# Altium PCB PCB1.PcbDoc (continued)
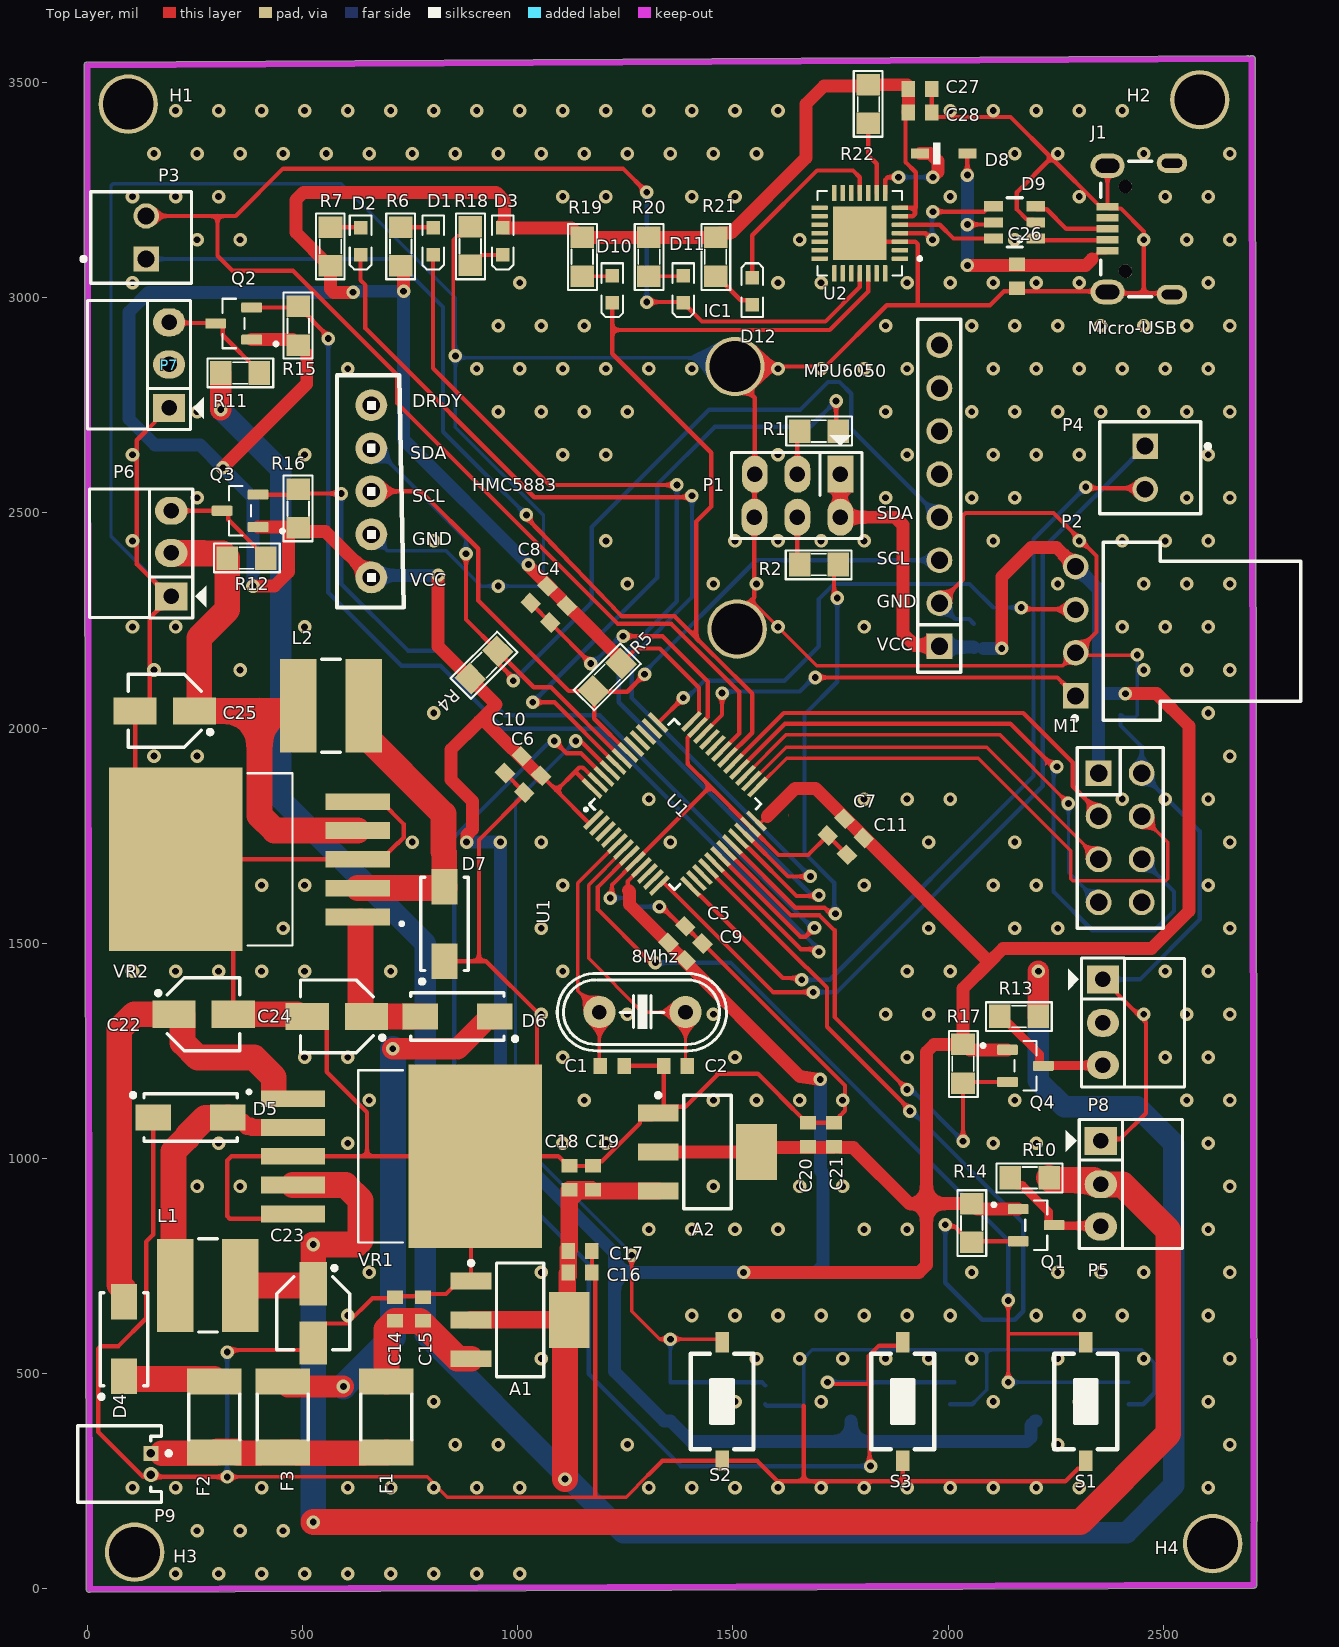
[diagram p0: Top Layer view]
## Part data
8Mhz: "Crystal Oscillator", LatestRevisionDate=17-Jul-2002, LatestRevisionNote="Re-released for DXP Platform.", PackageDescription="Crystal, Thru-Hole; 2 Leads; Body 3.1 x 8.2 mm (Dia.xH)", PackageReference=R38, Published=8-Jun-2000, Publisher="Altium Limited"
A1 A2: "Available in 1.8V, 2.5V, 2.85V, 3.3V, 5V, and  Adjustable Versions"
C1 C2 C3 C4 C5 C6 C7 C8 C9 C10 C11 C12 C13 C14 C15 C16 C17 C18 C19 C20 C21 C26 C27 C28 C29 C30 C31: "Capacitor"
C22 C23 C24 C25: "Polarized Capacitor (Radial)"
D1 D2 D3 D10 D11 D12: "LED"
D4 D5 D6 D7: "Schottky Diode", Code_JEDEC=DO-214-AA, LatestRevisionDate=17-Jul-2002, LatestRevisionNote="Re-released for DXP Platform.", PackageDescription="DO-214-AA/SMB; 2 C-Bend Leads; Body 5.3 x 3.6 mm, inc. leads (LxW)", PackageReference=SMB, Published=8-Jun-2000, Publisher="Altium Limited"
D8: "Diode Standard 75V 300mA (DC) Surface Mount SOD-323", Package="SOD-323FL-2 ON Semiconductor", Availability="In Stock", MF="ON Semiconductor", MP=1N4148WS, Price=None, Purchase-URL=https://pricing.snapeda.com/search/part/1N4148WS/?ref=eda
D9: library part 824001, "WE-TVS TVS Diode - High Speed Series, SOT23-6L, 4+1Channel, 5Vdc", Channel Input Capacitance=1pF, DC Operating Voltage=5V, Manufacturer="Wurth Elektronik", Operating Temperature="-40 to +125degC", Reverse Breakdown Voltage min.=6.2V, Reverse Channel Leakage Current=5uA, Reverse Peak Pulse Current=5A, Channel=4+1, ComponentLink1Description=Manufacturer, ComponentLink1URL=http://www.we-online.de, ComponentLink2Description=Datasheet, ComponentLink2URL=https://www.we-online.com/catalog/datasheet/824001.pdf, Manufacturer Part Number=824001, Mounting Technology=SMT, Packaging="Tape and Reel", Published Date="April 2020", Size=SOT23-6L
H1 H2 H3 H4: "Hole 3mm"
IC1: library part "IMU MPU6050", "GY-521 6DOF IMU MPU6050 / TECHMT.VN", WEB=TECHMT.VN
J1: "Micro USB 2.0 Type B Receptacle WR-COM, Horizontal, SMT, with Pegs, High Current at Pin 1 & Pin 5", Contact Resistance="30 mOhm", Operating Temperature="-40 to 85 degC", Rated Current="3 A", Working Voltage="30 VAC", ComponentLink1Description=Manufacturer, ComponentLink1URL=http://www.we-online.de, ComponentLink2Description=Datasheet, ComponentLink2URL=https://katalog.we-online.de/em/datasheet/629105150521.pdf, Connector Type="Micro USB 2.0 Type B", Gender=Receptacle, Mounting Technology=SMT, Orientation=Horizontal, Packaging="Tape and Reel", Part Number=629105150521, Published Date="September 2018", Publisher="Wurth Elektronik"
L1 L2: library part 784774033, "WE-PD2A SMT Power Inductor, size 5848, 3.3uH, 3.7A", DC Resistance max.=0.06Ohm, DC Resistance typ.=0.042Ohm, Inductance=3.3uH, Manufacturer="Wurth Elektronik", Operating Temperature="-40 to +125degC", Rated Current=3.7A, Rated Voltage=80VDC, Saturation Current=7.5A, Self Resonant Frequency=43MHz, ComponentLink1Description=Manufacturer, ComponentLink1URL=http://www.we-online.de, ComponentLink2Description=Datasheet, ComponentLink2URL=https://www.we-online.com/catalog/datasheet/784774033.pdf, Manufacturer Part Number=784774033, Mounting Technology=SMT, Packaging="Tape and Reel", Published Date="May 2020", Size=5848
P1: "Header, 3-Pin, Dual row", LatestRevisionDate=17-Jul-2002, LatestRevisionNote="Re-released for DXP Platform.", Publisher="Altium Limited"
P2: "WR-WTB THT Male Left Angled Bottom Locking Header, pitch 2.54mm, 4p", Contact Resistance=20mOhm, Operating Temperature="-40 to +105degC", Rated Current=3A, Withstanding Voltage=1000VAC, Working Voltage=250VAC, ComponentLink1Description=Manufacturer, ComponentLink1URL=http://www.we-online.de, ComponentLink2Description=Datasheet, ComponentLink2URL=https://www.we-online.com/catalog/datasheet/61900411021.pdf, Gender=Male, Mounting Technology=THT, Packaging=Bag, Part Number=61900411021, Pin Number=4, Pitch=2.54mm, Published Date="January 2020", Publisher="Wurth Elektronik", Type="Right Angled Bottom Locking"
P3 P4: "WR-WTB THT Male Vertical Locking Header, pitch 2.54mm, 2p", Contact Resistance=20mOhm, Operating Temperature="-40 to +105degC", Rated Current=3A, Withstanding Voltage=1000VAC, Working Voltage=250VAC, ComponentLink1Description=Manufacturer, ComponentLink1URL=http://www.we-online.de, ComponentLink2Description=Datasheet, ComponentLink2URL=https://www.we-online.com/catalog/datasheet/61900211121.pdf, Gender=Male, Mounting Technology=THT, Packaging=Bag, Part Number=61900211121, Pin Number=2, Pitch=2.54mm, Published Date="January 2020", Publisher="Wurth Elektronik", Type=Vertical
P5 P6 P7 P8: "Header, 3-Pin, Right Angle", LatestRevisionDate=17-Jul-2002, LatestRevisionNote="Re-released for DXP Platform.", Publisher="Altium Limited"
P9: "WR-WTB THT Male Horizontal Shrouded Header, pitch 1.25mm, 2p", Contact Resistance=20mOhm, Operating Temperature="-40 to +85degC", Rated Current=1A, Withstanding Voltage=250VAC, Working Voltage=125VAC, ComponentLink1Description=Manufacturer, ComponentLink1URL=http://www.we-online.de, ComponentLink2Description=Datasheet, ComponentLink2URL=https://www.we-online.com/catalog/datasheet/653002117322.pdf, Gender=Male, Mounting Technology=THT, Packaging=Tube, Part Number=653002117322, Pin Number=2, Pitch=1.25mm, Published Date="January 2020", Publisher="Wurth Elektronik", Type=Horizontal
Q1 Q2 Q3 Q4: "N-Channel 60V 280mA (Ta) 350mW (Ta) Surface Mount SOT-23-3 (TO-236)", Package=None, Availability=Unavailable, MP=altium_native_batch, Price=None
R1 R2 R3 R4 R5 R6 R7 R8 R9 R10 R11 R12 R13 R14 R15 R16 R17 R18 R19 R20 R21 R22: "Resistor"
S1 S2 S3: "Switch button 2 pin"
U1: "ARM Microcontrollers - MCU 32BIT Cortex M3 64KB 20KB RAM 2X12 ADC", Manufacturer=STMicroelectronics, Maximum Clock Frequency="72 MHz", Maximum Operating Temperature="+ 85 C", Minimum Operating Temperature="- 40 C", Package / Case=LQFP-48, Supply Voltage - Max="3.6 V", Supply Voltage - Min="2 V", ADC Resolution="12 bit", ComponentLink1Description=Datasheet, ComponentLink1URL=https://www.mouser.vn/datasheet/2/389/stm32f103c8-1851025.pdf, Core="ARM Cortex M3", Data Bus Width="32 bit", Data RAM Size="20 kB", Data RAM Type=SRAM, Interface Type="CAN, I2C, SPI, USART, USB", Length="7 mm", Mounting Style=SMD/SMT, Number of ADC Channels="10 Channel", Number of I/Os="37 I/O", Number of Timers/Counters="3 Timer", Processor Series="ARM Cortex M", Product Category="ARM Microcontrollers - MCU", Program Memory Size="64 kB", Series=STM32F103C8
U2: "CP2102N USB 2.0 to UART (RS232) Bridge Interface Evaluation Board", Package="WFQFN-20 Silicon Labs", Availability="In Stock", Check_prices=https://www.snapeda.com/parts/CP2102/Silicon+Labs/view-part/?ref=eda, MF="Silicon Labs", MP=CP2102, Price=None, Purchase-URL=https://pricing.snapeda.com/search/part/CP2102/?ref=eda, SnapEDA_Link=https://www.snapeda.com/parts/CP2102/Silicon+Labs/view-part/?ref=snap
VR1 VR2: library part LM2596S-5.0, "SIMPLE SWITCHER&reg; 4.5V to 40V, 3A Low Component Count Step-Down Regulator", Package="TO-263-5 Texas Instruments", Availability="In Stock", Check_prices=https://www.snapeda.com/parts/LM2596S-5.0/NOPB/Texas+Instruments/view-part/?ref=eda, MF="Texas Instruments", MP=LM2596S-5.0/NOPB, Price=None, Purchase-URL=https://pricing.snapeda.com/search/part/LM2596S-5.0/NOPB/?ref=eda, SnapEDA_Link=https://www.snapeda.com/parts/LM2596S-5.0/NOPB/Texas+Instruments/view-part/?ref=snap
?: "HMC5883L HMC Magnetic, Digital Compass Sensor Evaluation Board", Package="LCC-16 Honeywell", Availability=Unavailable, MF="Honeywell Aerospace", MP=HMC5883L, Price=None, SnapEDA_Link=https://www.snapeda.com/parts/HMC5883L/Honeywell%20Aerospace/view-part/106081/?ref=snap

## Via types
v1: diameter 31.5, hole 15.75, Top Layer to Bottom Layer, tented both sides, 390 vias

## Nets (pads, with @x,y where several pads share a name; then routed paths per layer and width w, separated by ;. In a path a pad name is that pad's centre, name@x,y a point inside that pad or via, vN(x,y) a via of type N, cw(c..) or ccw(c..) an arc to the next point about the centre after c; other vN are vias at no path point)
D_N: D9.6 U2.5 | length 230.8
  Top Layer w10: U2.5 1980.79,3169.68 2012.88,3137.6 D9.6
D_P: D9.4 U2.4 | length 296.8
  Top Layer w10: U2.4@1888.62,3149.68 1947.92,3149.68 1962.6,3135 v1(1964.15,3135) ; v1(1965,3200) 2083.54,3200 2095.94,3212.4 D9.4
  Bottom Layer w10: v1(1964.15,3135) 1965,3135 1962.5,3137.5 1962.5,3192.45 1964.72,3192.45 1965,3192.72 v1(1965,3200)
GND: ?.2 A1.1 A2.1 C1.1 C2.1 C3.1 C4.1 C5.1 C6.1 C7.1 C8.1 C9.1 C10.1 C11.1 C12.1 C13.1 C14.1 C15.1 C16.1 C17.1 C18.1 C19.1 C20.1 C21.1 C22.2 C23.2 C24.2 C25.2 C26.1 C27.1 C28.1 C29.1 C30.1 C31.1 D5.1 D7.1 D9.2 IC1.2 J1.5 J1.Shell M1.8 P1.3 P1.6 P2.2 P5.1 P6.1 P7.1 P8.1 P9.2 R18.2 S1.1 S2.1 S3.1 U1.8 U1.23 U1.35 U2.3 U2.29 VR1.3 VR1.5 VR1.6 VR2.3 VR2.5 VR2.6 | length 25833.8
  Top Layer w8: v1(325,260) 790,260 836.87,213.13 1251.87,213.13 1303.75,265 ; v1(855.31,2864.69) 850.82,2869.18 850.82,2880.93 850.63,2881.12 850.63,3134.63 860,3144 869,3144 R18.2 ; 1542.71,2297.29 1695,2145 2266.69,2145 P2.2 2302.2,2169.5 2439.5,2169.5 v1(2440,2170)
  Top Layer w10: D5.1 153.39,822.97 137.12,806.7 137.12,628.67 72.31,563.87 31.45,563.87 25.6,558.01 25.6,364.4 130,260 v1(325,260) ; P7.1 185,2744 157.5,2716.5 157.5,2711.5 115,2669 115,2381 190,2306 P6.1 145,2256 145,2066.5 118.5,2040 C25.2 111.1,1788.9 VR2.6 ; v1(325,550) 330,555 508.9,555 C23.2 525,589.8 551.5,616.3 603.8,616.3 662.5,675 712.44,675 717.44,680 777.56,680 C15.1 787.44,685 833.54,685 864.09,715.55 A1.1 891.65,995.39 VR1.6 ; C22.2 338.9,1561.1 VR2.6 ; VR1.5 466.89,860 330.86,860 325,865.86 325,995 335,1005 VR1.3 650,1005 ; C24.2 529.8,1330 556.3,1303.5 556.3,1201.1 650,1107.4 650,1005 ; VR2.5 683.35,1828.86 735,1777.2 735,1745 722.24,1732.24 720.59,1732.24 683.35,1695 VR2.3 VR2.6 ; C15.1@765,685 C15.1@777.56,685 ; D7.1 910,1458.39 ; C10.1 C6.1 1019.49,1850.51 1020,1850 910,1740 910,1458.39 ; C8.1@1035.51,2290.51 1035.51,2285.51 C4.1 ; C4.1@1075,2245 v1(1170,2150) ; C17.1@1172.56,780 1172.56,727.56 1180,720.12 1180,695.41 1180.12,695.29 1180.12,554.71 1180,554.59 1180,213.13 ; C19.1 1185.75,993.31 1196.08,993.31 1284.41,1081.63 1284.41,1090.87 1311.97,1090.87 A2.1 A2.1@1339.18,1118.08 ; C19.1@1177.95,982.56 C18.1 1117.05,982.56 1094.61,1005 VR1.6 ; v1(1215,1605) 1219.11,1609.11 1219.11,1635.63 U1.8 1447.42,1863.94 ; v1(1245,2213.5) 1336.5,2213.5 1441.78,2108.22 1441.78,2025.78 1418.19,2002.19 U1.35 1418.19,2001.29 1394.59,1977.7 1394.59,1921.08 1395,1920.68 1395,1916.36 1447.42,1863.94 ; C1.1 C2.1 A2.1@1339.18,1118.08 ; 1303.75,265 1335.95,297.2 S2.1 1556.8,297.2 1604.01,250 1665,250 ; v1(1329.49,1585) 1335,1585 1383.01,1536.99 C5.1@1389.38,1536.99 ; C5.1 C9.1 1430.51,1499.49 1760.74,1169.26 1760.74,1110.97 1748.7,1098.93 1748.7,1093.31 1737.95,1082.56 C20.1 1672.05,1082.56 1610,1144.61 1610,1145 1557.89,1197.11 1464.09,1197.11 1464.09,1194.61 1389.72,1120.24 1341.34,1120.24 A2.1@1339.18,1118.08 ; IC1.2@1510,2230 1510,2264.58 1542.71,2297.29 1550,2304.58 P1.6 1550.5,2490.5 1550.5,2589.5 P1.3 1551,2767.35 1505,2813.35 1505,2840 1715,2840 1857.5,2982.5 1927.5,2982.5 ; 1665,425 1665,250 ; C11.1 C7.1 1675,1705 1606.36,1705 U1.23 1447.42,1863.94 ; U2.29 1814.68,3130.32 U2.3 1924.14,3130.32 1930,3124.46 1930,2985 1927.5,2982.5 ; S3.1 1895,250 ; C27.1 C28.1 1972.56,3420 2145.28,3420 2240.14,3325.14 ; IC1.2@1980,2290 2035,2345 2035,2494.14 2040.86,2500 2245,2500 2345,2400 2345,2223.31 P2.2 ; D9.2 2197.4,3181.81 2183.13,3181.81 2160,3204.94 2160,3245 2240.14,3325.14 ; S1.1 2320,289.33 2309.25,278.58 2301.38,278.58 2272.8,250 1895,250 ; P5.1 2359,1045 2400,1045 2460,1105 2460,1316 2392.5,1383.5 2392.5,1388.5 2365,1416 P8.1 ; J1.Shell@2370.83,3306.65 J1.5 ; J1.Shell@2520.43,3007.44 2517.48,3010.39 2455,3010.39 ; 650,1005 VR1.6 ; VR1.6 1045,1148.74 1045,1340 926.61,1458.39 910,1458.39 ; 1665,250 1895,250 ; 1927.5,2982.5 2097.5,2982.5 2130,3015 2157.56,3015 2160,3017.44 2162.44,3015 2369.17,3015 2373.78,3010.39 2455,3010.39 ; 2240.14,3325.14 2354.09,3211.18 J1.5 ; J1.5 2374.68,3207.32 2401.75,3207.32 2455,3154.07 2455,3010.39
  Top Layer w60: C22.2 487.4,1335 492.4,1330 C24.2
  Bottom Layer w8: P6.1 190,2306 161.5,2334.5 161.5,2339.5 55,2446 55,3260.31 59.69,3265 590,3265 855.31,2999.69 v1(855.31,2864.69) ; ?.2 697.44,2412.56 C31.1 832.44,2412.56 915,2330 1055,2330 1060,2335 1060,2494.54 855.31,2699.23 v1(855.31,2864.69) ; IC1.2@1505,2840 1484.81,2860.19 859.81,2860.19 v1(855.31,2864.69) ; 1665,425 1665,535 1685,555 2090,555 ; 2060.91,433.41 2090,462.5 2090,555 ; C30.1@2401.03,2030.22 2404.83,2030.22 2410.05,2025 2435.31,2025 2440,2029.69 v1(2440,2170) ; 2479.37,455 2479.37,525.63 2450,555 2090,555
  Bottom Layer w10: v1(325,260) v1(325,550) ; v1(1170,2150) 1175,2150 1234.39,2209.39 1240.89,2209.39 v1(1245,2213.5) ; v1(1215,1605) 1257.02,1605 1277.02,1585 v1(1329.49,1585) ; C12.1 1578.63,425 1665,425 ; IC1.2@1980,2290 2016.69,2253.31 2049.25,2253.31 C29.1 ; C13.1 2056.13,428.63 2060.91,433.41 ; P8.1 2446,1416 2585,1555 2585,1760 M1.8 2450,1957.27 2401.03,2006.24 C30.1@2401.03,2030.22 ; C3.1 2453.63,428.63 2479.37,454.37 2479.37,455
  other v1: 205,35 305,35 405,35 505,35 605,35 705,35 805,35 905,35 1005,35 255,135 355,135 455,135 105,235 205,235 405,235 605,235 705,235 805,235 905,235 1005,235 1305,235 1405,235 1505,235 1605,235 1705,235 1805,235 1905,235 2005,235 2105,235 2205,235 2305,235 2605,235 855,335 955,335 1255,335 2255,335 2655,335 805,435 1505,435 1705,435 1905,435 2105,435 2305,435 2605,435 1055,535 1555,535 1655,535 1755,535 1855,535 1955,535 2055,535 2255,535 2455,535 2655,535 605,635 1405,635 1505,635 1605,635 1705,635 1805,635 1905,635 2005,635 2205,635 2305,635 2405,635 2605,635 655,735 1055,735 2055,735 2255,735 2355,735 2455,735 2655,735 1305,835 1405,835 1505,835 1605,835 1805,835 1905,835 2605,835 255,935 355,935 1455,935 1655,935 1755,935 2655,935 305,1035 605,1035 1105,1035 1205,1035 2105,1035 2205,1035 2605,1035 655,1135 1155,1135 1455,1135 1555,1135 1655,1135 1755,1135 2155,1135 2555,1135 2655,1135 505,1235 605,1235 1105,1235 1505,1235 1905,1235 2505,1235 2605,1235 1055,1335 1255,1335 1455,1335 1855,1335 1955,1335 2455,1335 2555,1335 2655,1335 105,1435 205,1435 305,1435 405,1435 505,1435 705,1435 1105,1435 1905,1435 2005,1435 2505,1435 2605,1435 455,1535 1055,1535 1955,1535 2155,1535 2255,1535 2655,1535 405,1635 505,1635 1105,1635 1805,1635 2105,1635 2205,1635 2605,1635 755,1735 1055,1735 1355,1735 1955,1735 2155,1735 2655,1735 1305,1835 1805,1835 1905,1835 2005,1835 2405,1835 2505,1835 2605,1835 155,1935 255,1935 2655,1935 805,2035 2605,2035 155,2135 355,2135 2455,2135 2555,2135 2655,2135 105,2235 205,2235 505,2235 1605,2235 1805,2235 2405,2235 2505,2235 2605,2235 955,2330 1255,2335 1455,2335 1555,2335 2255,2335 2455,2335 2555,2335 2655,2335 105,2435 805,2435 1205,2435 1505,2435 1605,2435 1705,2435 1805,2435 2105,2435 2305,2435 2405,2435 2505,2435 2605,2435 255,2535 1855,2535 2055,2535 2155,2535 2555,2535 2655,2535 105,2635 505,2635 1105,2635 1205,2635 1605,2635 1905,2635 2105,2635 2205,2635 2305,2635 2605,2635 255,2735 955,2735 1055,2735 1155,2735 1255,2735 1855,2735 2055,2735 2155,2735 2255,2735 2355,2735 2455,2735 2555,2735 2655,2735 605,2835 905,2835 1005,2835 1105,2835 1205,2835 1305,2835 1405,2835 1605,2835 1705,2835 1805,2835 1905,2835 2105,2835 2205,2835 2305,2835 2405,2835 2505,2835 2605,2835 955,2935 1055,2935 1155,2935 1855,2935 2055,2935 2155,2935 2255,2935 2355,2935 2455,2935 2555,2935 2655,2935 105,3035 1005,3035 1605,3035 1705,3035 1905,3035 2005,3035 2105,3035 2205,3035 2305,3035 2605,3035 255,3135 355,3135 1655,3135 2155,3135 2455,3135 2555,3135 2655,3135 105,3235 205,3235 305,3235 1105,3235 1205,3235 1405,3235 1505,3235 2005,3235 2305,3235 2505,3235 2605,3235 155,3335 255,3335 355,3335 455,3335 555,3335 655,3335 755,3335 855,3335 955,3335 1055,3335 1155,3335 1255,3335 1355,3335 1455,3335 1555,3335 2155,3335 2255,3335 2455,3335 2655,3335 205,3435 305,3435 405,3435 505,3435 605,3435 705,3435 805,3435 905,3435 1005,3435 1105,3435 1205,3435 1305,3435 1405,3435 1505,3435 1605,3435 2005,3435 2105,3435 2205,3435 2305,3435 2405,3435
LIPO_3S_11.4V: F1.1 F2.1 F3.1 P9.1 | length 552.1
  Top Layer w8: P9.1 148.23,315 172.92,315
  Top Layer w60: 172.92,315 299.17,315 302.79,318.62 347.21,318.62 350.83,315 401.06,315 402.02,315.95 453.29,315.95 F3.1 486.48,316.46 487.94,315 642.26,315 643.21,315.95 694.49,315.95 F1.1
Net8Mhz_1: 8Mhz.1 C1.2 U1.5 | length 576.4
  Top Layer w8: C1.2 1190,1217.44 8Mhz.1 1140,1390 1140,1640.04 U1.5
Net8Mhz_2: 8Mhz.2 C2.2 U1.6 | length 689.7
  Top Layer w8: U1.6 1245.59,1715.92 1165,1635.34 1165,1465 1290,1340 8Mhz.2 1390,1219.3 C2.2
Net_3: ?.3 IC1.3 R5.2 U1.42 | length 1900.4
  Top Layer w10: ?.3 775.48,2550 908.62,2416.86 908.62,2296.38 1118.64,2086.36 R5.2@1166.36,2086.36 ; U1.42 1178.13,2021.87 1178.13,2058.23 1158.18,2078.18 R5.2@1166.36,2086.36 ; v1(1295,2125) 1254.59,2084.59 1178.13,2084.59 R5.2 R5.2@1166.36,2086.36
  Bottom Layer w10: v1(1295,2125) 1295,2130.64 1554.36,2390 IC1.3
Net_4: ?.4 IC1.4 R4.2 U1.43 | length 2626.8
  Top Layer w10: v1(880,2405) 880,2252.28 R4.2 ; R4.2@955.41,2176.87 R4.2 ; R4.2@965,2167.28 956.24,2158.52 956.24,2149.42 990,2115.66 v1(990,2110) ; U1.43 1077.16,2095 1037.28,2095 R4.2
  Bottom Layer w10: ?.4 670,2650 880,2440 v1(880,2405) ; v1(990,2110) 1172.06,2292.06 1172.06,2467.06 1445,2740 1656.96,2740 1720.98,2804.02 1747.99,2804.02 1775,2777.01 1775,2695 IC1.4
NetASM1_3: A1.3 C14.2 C15.2 F1.2 | length 362
  Top Layer w60: F1.2 695,602.44 C14.2 772.56,622.44 860.55,534.45 A1.3
NetC3_2: C3.2 R3.2 S1.2 U1.7 | length 2230.9
  Top Layer w8: v1(2140,480) 2140,590 ; v1(2140,670) 2140,590 ; S1.2 2320,580.67 2308.25,592.42 2142.42,592.42 2140,590
  Top Layer w10: U1.7 1186.38,1630.74 1186.38,1578.62 1305.89,1459.11 1315.89,1459.11 v1(1320,1455)
  Bottom Layer w8: v1(2140,480) R3.2 C3.2@2420,480
  Bottom Layer w10: v1(1320,1455) 1494.42,1455 2140,809.42 v1(2140,670)
NetC12_2: C12.2 R8.2 S2.2 U1.45 | length 2187.5
  Top Layer w8: v1@1277.29,770.5 1269.5,770.5 v1(1265,775) 1265,645 1330,580 v1(1355,580) 1467.8,580 S2.2 1475,580.67 S2.2@1463.25,592.42
  Top Layer w10: 1150.6,1965.89 U1.45
  Bottom Layer w8: v1(1135,1970) 995,1830 995,1048.01 1265,778.01 v1(1265,775) ; R8.2@1355,480 v1(1355,580)
  Bottom Layer w10: R8.2@1355,480 1567.56,480 C12.2@1575,472.56
NetC13_2: C13.2 R9.2 S3.2 U1.46 | length 3341.2
  Top Layer w10: v1(1085,1970) 1113.64,1941.36 1147.28,1941.36 U1.46 ; v1(1720,480) 1724.11,475.89 1736.33,475.89 1736.61,475.61 1816.04,475.61 ; v1(1820,285) 1817.5,287.5 1817.5,474.14 1816.04,475.61 ; S3.2@1892.2,570 1892.2,562.13 1889.33,565 1840,565 1816.04,541.04 1816.04,475.61
  Bottom Layer w10: v1(1085,1970) 1079.18,1970 1071.99,1962.81 1068.71,1962.81 962.27,1856.37 852.76,1746.86 852.76,1067.24 1165,755 1165,499.29 1379.29,285 v1(1820,285) ; v1(1720,480) R9.2 C13.2@2015,480
NetC22_1: C22.1 D4.2 VR1.1 | length 1167.7
  Top Layer w60: D4.2 84.49,667.13 84.49,696.55 74.17,706.87 74.17,1299.85 109.32,1335 C22.1@219.8,1335 ; C22.1 C22.1@219.8,1335 ; VR1.1@433.43,1149.37 433.43,1188.56 387.77,1234.22 256.45,1234.22 221.3,1269.37 221.3,1333.5 C22.1@219.8,1335
NetC24_1: C24.1 D6.2 VR2.1 | length 358.1
  Top Layer w60: VR2.1@635,1550.63 635,1331.5 636.5,1330 D6.2
NetD1_1: D1.1 R6.1 | length 75.6
  Top Layer w10: R6.1 801.98,3164 D1.1
NetD1_2: D1.2 U1.21 | length 2396.7
  Top Layer w10: D1.2 803.49,2836.03 1074.52,2565 v1(1370,2565) ; U1.21 1513.28,1742.84 1532.92,1723.2 1534.59,1723.2 1647.79,1610 1698.67,1610 v1(1700,1611.33)
  Bottom Layer w10: v1(1370,2565) 1370,2294.52 1235,2159.52 1235,2060 1680.09,1614.91 1696.42,1614.91 v1(1700,1611.33)
NetD2_1: D2.1 R7.1 | length 70.6
  Top Layer w10: R7.1 633.49,3164 D2.1
NetD2_2: D2.2 U1.22 | length 2408.9
  Top Layer w10: D2.2 635,3040.48 646.12,3029.36 646.12,2928.88 1038.62,2536.38 1401.38,2536.38 v1(1405,2540) ; U1.22 1628.52,1655 1680,1655 v1(1680.24,1655.24)
  Bottom Layer w10: v1(1405,2540) 1405,2304.24 1265,2164.24 1265,2070 1679.76,1655.24 v1(1680.24,1655.24)
NetD3_2: D3.2 R18.1 | length 85.1
  Top Layer w10: R18.1 892.5,3075 917,3099.5 D3.2
NetD4_1: D4.1 F2.2 | length 215.4
  Top Layer w60: D4.1 85,488.19 85.51,487.68 F2.2@295,487.68
NetD5_2: D5.2 L1.1 VR1.2 | length 635.4
  Top Layer w40: D5.2 337.13,1084.49 361.9,1084.49 371.38,1075 380,1075 383.07,1071.93 VR1.2
  Top Layer w60: L1.1 200,709.21 200,1016.2 232.6,1048.8 232.6,1052.6 274.49,1094.49 326.1,1094.49 D5.2
NetD6_1: D6.1 F3.2 | length 1257.3
  Top Layer w8: F3.2 F3.2@455.62,480 ; D6.1 D6.1@950,1326.61
  Top Layer w50: F3.2@455.62,480 465.62,470 v1(595,470) ; v1(710,1255) 860.79,1255 935.79,1330 D6.1 ; D6.1@944.82,1324.49 947.87,1324.49 D6.1@950,1326.61
  Bottom Layer w60: v1(595,470) 710,585 v1(710,1255)
NetD7_2: D7.2 L2.1 VR2.2 | length 703.1
  Top Layer w60: VR2.2 829.49,1628.07 830,1628.58 D7.2 829.49,1632.13 829.49,1711.06 827.76,1712.79 827.76,1800.12 642.01,1985.87 L2.1
NetD9_1: D9.1 J1.2 | length 167.4
  Top Layer w10: D9.1@2204.21,3132.6 2205.12,3133.5 2369.92,3133.5 J1.2
NetD9_3: D9.3 J1.3 | length 186.2
  Top Layer w10: D9.3@2204.21,3207.4 2206.02,3205.59 2229.41,3205.59 2275,3160 J1.3
NetD10_1: D10.1 R19.1 | length 70.6
  Top Layer w8: R19.1 1218.5,3050 D10.1
NetD11_1: D11.1 R20.1 | length 80.6
  Top Layer w8: R20.1 1383.5,3050 D11.1
NetD12_1: D12.1 R21.1 | length 112.5
  Top Layer w10: R21.1 1462.5,3050 1518.25,2994.25 1534.25,2994.25 D12.1
NetM1_2: M1.2 U1.29 | length 1034.2
  Top Layer w10: U1.29 1618.48,2035 2175,2035 2290,1920 2290,1865 2350,1805 M1.2
NetM1_3: M1.3 U1.26 | length 946.8
  Top Layer w8: U1.26 1545.32,1876.47 1623.86,1955 2090,1955 M1.3
NetM1_4: M1.4 U1.27 | length 1114.9
  Top Layer w8: U1.27 1624.16,1985 2120,1985 2279.76,1825.24 v1(2279.76,1824.76)
  Bottom Layer w8: v1(2279.76,1824.76) 2280,1824.52 2280,1665 M1.4
NetM1_6: M1.6 U1.28 | length 1607.5
  Top Layer w10: U1.28 1621.32,2010 2145,2010 2241.38,1913.62 2241.38,1910.28 2252.8,1910.28 v1(2253.08,1910)
  Bottom Layer w10: v1(2253.08,1910) 2248.65,1910 2245,1906.35 2245,1620 2335,1530 2480,1530 2525,1575 2525,1620 M1.6
NetM1_7: M1.7 U1.25 | length 1309.7
  Top Layer w8: U1.25 1624.84,1930 2070,1930 2285,1715 2285,1649.69 2289.69,1645 2505.8,1645 2510.48,1649.69 2510.48,1734.52 M1.7
NetP1_2: P1.2 R1.2 | length 102.1
  Top Layer w10: P1.2 1650,2685 R1.2
NetP1_5: P1.5 R2.1 | length 112.1
  Top Layer w10: P1.5 1650,2385 R2.1
NetP2_1: P2.1 U1.34 | length 966.7
  Top Layer w10: U1.34 1475,2030.71 v1(1475,2081.38) ; v1(1691.73,2117.57) 2254.12,2117.57 P2.1
  Bottom Layer w10: v1(1475,2081.38) 1478.62,2085 1655.52,2085 1689.35,2118.83 1690.47,2118.83 v1(1691.73,2117.57)
NetP2_3: P2.3 U1.37 | length 1194.3
  Top Layer w10: U1.37 1326.59,2012.61 1327.03,2012.61 v1(1384.71,2070.29) ; v1(2170,2280) 2173.87,2276.13 2295.56,2276.13 P2.3
  Bottom Layer w10: v1(1384.71,2070.29) 1393,2070.29 1393.26,2070.03 1434.11,2110.89 1445.72,2110.89 1446.61,2110 1620,2110 1700,2190 1700,2300 1735,2335 2050,2335 2105,2280 v1(2170,2280)
NetP4_1: P4.1 U1.12 | length 2087.2
  Top Layer w10: U1.12 1337.19,1642.36 1337.64,1642.36 1593.62,1386.38 v1(1687.06,1386.38)
  Bottom Layer w10: v1(1687.06,1386.38) 1741.38,1386.38 1750,1395 2220.36,1865.36 2220.36,2417.17 P4.1
NetP4_2: P4.2 U1.13 | length 1944.9
  Top Layer w10: U1.13 1401.93,1631.48 1421.57,1611.85 1423.15,1611.85 1615.89,1419.11 1655.89,1419.11 v1(1660,1415) ; v1(2320,2560) 2322.5,2557.5 2455.69,2557.5 P4.2
  Bottom Layer w10: v1(1660,1415) 1725,1415 2198.62,1888.62 2198.62,2438.62 v1(2320,2560)
NetP5_3: P5.3 Q1.3 R10.1 | length 275.6
  Top Layer w20: R10.1 2145,952.5 2160,937.5 2172.5,937.5 2175,935 2233.66,876.34 2233.66,846.81 2235.47,845 Q1.3 2248.23,843.5 2353.5,843.5 P5.3
NetP6_3: P6.3 Q3.3 R12.1 | length 275.3
  Top Layer w10: P6.3 320.97,2505 327.78,2498.19 327.78,2484.05 394.33,2417.5 395,2417.5 415,2397.5 R12.1
NetP7_3: P7.3 Q2.3 R11.1 | length 272.2
  Top Layer w10: P7.3 191.5,2941.5 296.77,2941.5 Q2.3 307.72,2940 314.53,2933.19 314.53,2912.97 400,2827.5 R11.1
NetP8_3: P8.3 Q4.3 R13.1 | length 305
  Top Layer w20: R13.1 2120,1327.5 2135,1312.5 2142.5,1312.5 2212.51,1242.49 2212.51,1216.81 2214.32,1215 Q4.3 2222.73,1216 2359,1216 P8.3
NetQ1_2: Q1.2 R14.1 U1.16 | length 1882
  Top Layer w10: U1.16 1443.24,1672.8 1462.88,1653.16 1462.88,1651.49 1670.75,1443.62 1671.86,1443.62 1718.62,1396.86 1718.62,1305.9 1911.38,1113.14 v1(1911.38,1110) ; v1(1993.62,845.9) 1997.74,841.79 2015.71,841.79 2052.5,805 R14.1 2057.6,807.6 Q1.2
  Bottom Layer w10: v1(1911.38,1110) 1915,1110 2175,850 2175,645 2155,625 2079.52,625 1993.62,710.9 v1(1993.62,845.9)
NetQ2_2: Q2.2 R15.1 U1.17 | length 2621.1
  Top Layer w10: Q2.2 487.4,2977.4 R15.1 560,2910 v1(560,2905) ; U1.17 1657.94,1486.38 1687.81,1486.38 1694.18,1480 v1(1700,1480)
  Bottom Layer w10: v1(560,2905) 560,2315 730,2145 820.71,2145 967.08,1998.62 1186.86,1998.62 1400.75,1784.73 1700,1485.48 v1(1700,1480)
NetQ3_2: Q3.2 R16.1 U1.18 | length 2147.6
  Top Layer w10: Q3.2 477.4,2542.4 R16.1 500,2545 v1(590,2545) ; U1.18 1656.94,1515.22 1668.76,1515.22 v1(1689.75,1536.21)
  Bottom Layer w10: v1(590,2545) 590,2335 745,2180 820,2180 970,2030 1190.48,2030 1684.27,1536.21 v1(1689.75,1536.21)
NetQ4_2: Q4.2 R17.1 U1.19 | length 1191.1
  Top Layer w10: U1.19 1635.17,1564.83 1701.6,1564.83 1736.5,1529.94 1736.5,1328.5 v1(1905,1160) ; v1(2035,1040) 2035,1165 2040,1170 R17.1 2037.6,1177.6 Q4.2
  Bottom Layer w10: v1(1905,1160) 1915,1160 v1(2035,1040)
NetR1_1: R1.1 U1.44 | length 1448.4
  Top Layer w10: v1(1035,2060) 1085.48,2060 1228.88,1916.6 U1.44 ; v1(1740,2760) 1740,2695 R1.1
  Bottom Layer w10: v1(1035,2060) 1324.14,2349.14 1324.14,2565.86 1458.28,2700 1680,2700 v1(1740,2760)
NetR2_2: R2.2 U1.20 | length 1187.6
  Top Layer w10: U1.20 1645.14,1582.7 1712.91,1582.7 1728.67,1566.95 1736.95,1566.95 v1(1738.46,1568.46) ; v1(1742.74,2302.26) 1735,2310 1735,2370 R2.2
  Bottom Layer w10: v1(1738.46,1568.46) 1735.72,1571.19 1735.72,1640.24 1666.38,1709.58 1666.38,2031.38 1742.74,2107.74 v1(1742.74,2302.26)
NSUSPEND: D12.2 U2.11 | length 454.3
  Top Layer w10: D12.2 1545,3145 1695.86,3295.86 1779.14,3295.86 1795,3280 U2.11
RESET: R22.2 U2.9 | length 169.7
  Top Layer w10: R22.2 1815,3330.83 1834.37,3311.46 U2.9
RXD: D11.2 P3.2 U1.31 U2.25 | length 3983.3
  Top Layer w10: P3.2 302.5,3190 ; v1(1300,2990) 1383.5,2990 D11.2 1428.5,2945 1715,2945 1794.88,3024.88 1794.88,3056.57 U2.25 ; v1(1300,3245) 1245,3300 455,3300 345,3190 302.5,3190 ; U1.31 1515,1987.2 1515,2084.08 1356.95,2242.13 1232.87,2242.13 719.87,2755.13 719.87,2820.83 477.85,3062.85 337.15,3062.85 302.5,3097.5 302.5,3190
  Bottom Layer w10: v1(1300,2990) v1(1300,3245)
SERVO1_5V: C23.1 L1.2 P5.2 R10.2 VR1.4 | length 4159.3
  Top Layer w60: L1.2 523.5,705 525,706.5 C23.1 v1(525,800) 625,800 635,810 635,902.92 599.85,938.07 VR1.4 ; v1(525,155) 2306.92,155 2511.97,360.05 2511.97,833.03 2405.96,939.04 2355.96,939.04 P5.2 2348.65,940 2338.65,950 2240,950 R10.2
  Bottom Layer w60: v1(525,155) v1(525,800)
SERVO2_5V: C25.1 L2.2 P6.2 R12.2 VR2.4 | length 1259.3
  Top Layer w60: P6.2 195.96,2406.04 313.96,2406.04 R12.2 325,2275 260,2210 260,2041.5 258.5,2040 C25.1 400,2040 ; L2.2 478.62,2040 400,2040 ; VR2.4 435.15,1761.93 400,1797.08 400,2040
TXD: D10.2 P3.1 U1.30 U2.26 | length 3735.9
  Top Layer w10: v1(1020.24,2495.24) 1020.22,2494.2 1020.14,2490.06 1238.77,2263 1241.76,2260 1364.36,2260 1367.29,2257.07 1415,2209.36 ; D10.2 1220,2925 ; U1.30 1545,1989.36 1545,2080 1458.59,2166.41 cw(c1510,2230) 1452.18,2172.18 1415,2209.36 ; U2.26 1814.68,3014.68 1725,2925 1283.5,2925 1220,2925 ; 1220,2925 1220,2870 1450,2640 1450,2515 1415,2480 1415,2209.36
  Bottom Layer w10: P3.1 715,3090 826.69,2978.31 826.69,2688.79 926.65,2588.83 v1(1020.24,2495.24)
UART_5V: D8.C U2.8 | length 235.1
  Top Layer w10: U2.8 1854.06,3273.84 1860.21,3280 v1(1885,3280)
  Top Layer w30: D8.C 1958.94,3335 1976.52,3317.43 1976.52,3291.92 1965,3280.4 v1(1965,3280)
  Bottom Layer w10: v1(1885,3280) v1(1965,3280)
USB_5V: C26.2 D8.A D9.5 J1.1 | length 671.9
  Top Layer w10: v1@2040,3170 2100.79,3170 D9.5 ; v1(2045,3285) 2045,3324.88 2040,3329.88 D8.A ; 2335,3090 2349.96,3104.96 2366.97,3104.96 J1.1
  Top Layer w30: v1(2045,3075) 2320,3075 2335,3090
  Bottom Layer w30: v1(2045,3075) v1(2045,3170) v1(2045,3285)
VCC_3V3: ?.1 A2.2 A2.4 C4.2 C5.2 C6.2 C7.2 C8.2 C9.2 C10.2 C11.2 C20.2 C21.2 C27.2 C28.2 C29.2 C30.2 C31.2 D3.1 IC1.1 M1.1 P1.1 P1.4 P2.4 Q1.1 Q2.1 Q3.1 Q4.1 R3.1 R4.1 R5.1 R6.2 R7.2 R8.1 R9.1 R14.2 R15.2 R16.2 R17.2 R19.2 R20.2 R21.2 R22.1 U1.1 U1.9 U1.24 U1.36 U1.47 U1.48 U2.6 U2.7 | length 17814.2
  Top Layer w8: U1.24 1561.17,1778.03 1563.03,1778.03 1580,1795
  Top Layer w10: R16.2@467.5,2445 487.5,2465 R16.2 ; R6.2@725,3070.51 R6.2 ; R6.2@745,3065 R6.2@750,3060 ; C6.2@1055,1885 1056.41,1886.41 1058.59,1886.41 1090,1855 ; 1134.89,1899.89 1090,1855 ; U1.48 1134.89,1898.08 1134.89,1900.11 1143.25,1908.47 1151.53,1908.47 1155,1905 1169.56,1890.8 U1.47 ; U1.1 1167.03,1778.42 1166.58,1778.42 1090,1855 ; R5.1@1240,2160.24 R5.1 1275,2185 1330,2185 1421.39,2093.61 1421.39,2032.78 U1.36 ; 1257.56,1622.44 1256.13,1623.87 1256.13,1644.37 1287.34,1675.58 U1.9 ; U2.6 1917.88,3189.37 1923.74,3195.23 1923.74,3209.06 ; U2.7 1923.74,3209.06 ; C28.2@1905,3420 1901.34,3416.34 1901.34,3315.11 1925,3291.45 1925,3209.06 ; 1924.06,3209.06 1923.74,3209.06
  Top Layer w30: v1(315,2605) 510,2800 510,2869.45 490,2889.45 490.27,2889.73 R15.2 477.4,2902.6 Q2.1 ; v1(385,2330) 434.85,2330 467.5,2362.65 R16.2@467.5,2445 ; Q3.1 487.4,2467.6 R16.2 498.07,2456.93 553.07,2456.93 668.42,2341.58 ?.1@673.42,2341.58 ; v1(617.5,3012.5) 572.5,3012.5 565,3020 R7.2 562.5,3074 485,3151.5 485,3227.43 502.57,3245 950,3245 969.61,3225.39 969.61,3177.38 965.75,3173.52 D3.1@965.75,3162.49 ; R6.2@725,3070.51 735,3060.51 v1(735,3015) ; v1(815,2355) 815,2190 R4.1 950,2055 910,2015 ; v1(881.38,1735) 881.66,1735.29 881.66,1751.08 895,1764.42 895,1830 845,1880 845,1950 910,2015 ; D3.1@969.61,3162.49 1125.01,3162.49 1147.5,3140 R19.2 R20.2 R21.2 1470,3150 1495,3150 1670,3325 1670,3450 1711.93,3491.93 1811.93,3491.93 R22.1 C27.2@1905,3495 ; v1(1025,2380) 1025.29,2379.71 1025.29,2376.99 1078.64,2323.64 1078.64,2322.5 1130,2271.14 1130,2270 1130.24,2270 R5.1@1240,2160.24 ; C6.2@1055,1885 925,2015 910,2015 ; 1257.56,1622.44 1259.73,1620.27 1259.73,1590.27 C5.2@1350.51,1499.49 ; A2.2 A2.4 1565,1025 1675,1025 C21.2@1735,1025 ; C5.2@1350.51,1499.45 1359.87,1490.1 1359.87,1487.45 1384.72,1462.6 1388.42,1462.6 C9.2 ; C9.2@1380.51,1465.51 1646.95,1199.07 1655.74,1190.29 v1(1703.28,1183.52) ; v1(1525,735) 1932.43,735 1950,752.57 1950,895 ; 1580,1795 1645,1860 1692.28,1860 1761.14,1791.14 1806.14,1746.14 2095,1457.28 2095,1455 ; C21.2@1735,1026.69 1748.98,1026.69 1750.68,1025 1780,1025 1910,895 1950,895 ; P1.1 P1.4 1877.43,2490 1895,2472.43 1895,2220 1922.65,2192.35 1977.65,2192.35 IC1.1 ; C28.2 1907.44,3432.95 1908.19,3433.7 1908.19,3484.25 C27.2 ; v1(2125,2185) 2125,2351 2193.53,2419.53 2252.17,2419.53 P2.4 ; Q4.1 2050.1,1252.4 2037.5,1265 R17.2 ; Q1.1 2067.6,882.4 R14.2 1950,895 ; v1(2412.38,2080) 2485,2080 2560,2005 2560,1575 2472.87,1487.87 2127.87,1487.87 2095,1455 ; 1950,895 1950,1247.08 1967.57,1264.65 2022.5,1264.65 2022.85,1265 R17.2 ; R17.2 2035,1395 2095,1455
  Bottom Layer w30: v1(385,2330) 385,2535 v1(315,2605) 262.36,2657.64 157.36,2657.64 96.87,2718.13 96.87,2966.87 142.5,3012.5 v1(617.5,3012.5) 620,3015 v1(735,3015) 735,2670 v1(1025,2380) ; ?.1 665,2355 v1(815,2355) ; v1(881.38,1735) v1(960,1735) 960,1045 1225,780 1225,735 ; v1(1703.28,1183.52) 1703.28,971.2 1710,964.49 1710,752.57 1692.43,735 v1(1525,735) 1225,735 ; R9.1 1775,342.13 ; IC1.1@1975,2185 IC1.1 1981.81,2188.19 2059.25,2188.19 C29.2 ; 2082.44,2185 v1(2125,2185) ; R3.1 2202.5,390 2192.5,380 2192.5,351.75 2182.87,342.13 1775,342.13 ; P2.4 2350,2321.69 2350,2080 ; M1.1 2350,2030 2350,2080 ; v1(2412.38,2080) 2350,2080 ; 1225,735 1225,505 1340,390 1355,390 1402.87,342.13 1775,342.13
VCC_5V: A1.2 A1.4 A2.3 C16.2 C17.2 C18.2 C19.2 R11.2 R13.2 | length 7124.4
  Top Layer w10: A1.4@1120,622.24 A1.4
  Top Layer w40: A1.2 A1.4 1115,630 1115,732.56 C16.2 ; C16.2@1117.44,727.56 C17.2@1117.44,790 ; C17.2 1120,787.56 C18.2 1140.87,927.44 1172.01,927.44 C19.2@1175,924.45 ; C18.2@1128.94,912.51 1140.87,924.45 C19.2@1175,924.45 ; A2.3 C19.2@1175,924.45
  Top Layer w50: v1(310,2740) R11.2 ; R13.2 v1(2210,1435)
  Top Layer w60: v1(1110,255) 1110,612.24 A1.4@1120,622.24
  Bottom Layer w50: v1(310,2740) 310.49,2740 450,2600.49 450,1835 785,1500 785,590 1110,265 v1(1110,255) 1120,255 1245,130 2414.85,130 2525,240.15 2525,1035 2440,1120 2270,1120 2210,1180 v1(2210,1435)
pads on no net: ?.5 H1.1 H2.1 H3.1 H4.1 IC1.5 IC1.6 IC1.7 IC1.8 J1.4 J1.MH1 J1.MH2 M1.5 P7.2 P8.2 U1.2 U1.3 U1.4 U1.10 U1.11 U1.14 U1.15 U1.32 U1.33 U1.38 U1.39 U1.40 U1.41 U2.1 U2.2 U2.10 U2.12 U2.13 U2.14 U2.15 U2.16 U2.17 U2.18 U2.19 U2.20 U2.21 U2.22 U2.23 U2.24 U2.27 U2.28

## Keep-outs
Keep-Out Layer:
  lines w15: 2695,3555 0,3540 5.22,-0.8 2710.49,9.24 2710.49,149.69 2710.39,149.69 ; 2706.33,3555.01 2710.59,157.46

## Silkscreen, mask and mechanical layers (free items; w line width, h text height)
Top Overlay:
  text "MPU6050" at 1665,2815 h30
  text "HMC5883" at 895,2550 h30
  text "SDA" at 1835,2485 h30
  text "SCL" at 1835,2380 h30
  text "GND" at 1835,2280 h30
  text "VCC" at 1835,2180 h30

## Text inside footprints (layer, text, board x,y; h text height)
J1: Top Overlay "Micro-USB" at 2325,2915 h30
?: Top Overlay "SCL" at 755,2525 h30; Top Overlay "VCC" at 750,2330 h30; Top Overlay "DRDY" at 755,2745 h30; Top Overlay "SDA" at 750,2625 h30; Top Overlay "GND" at 755,2425 h30